# Altium PCB Air_Logger_PCB_ver2.PcbDoc (part 1 of 2) (continued)
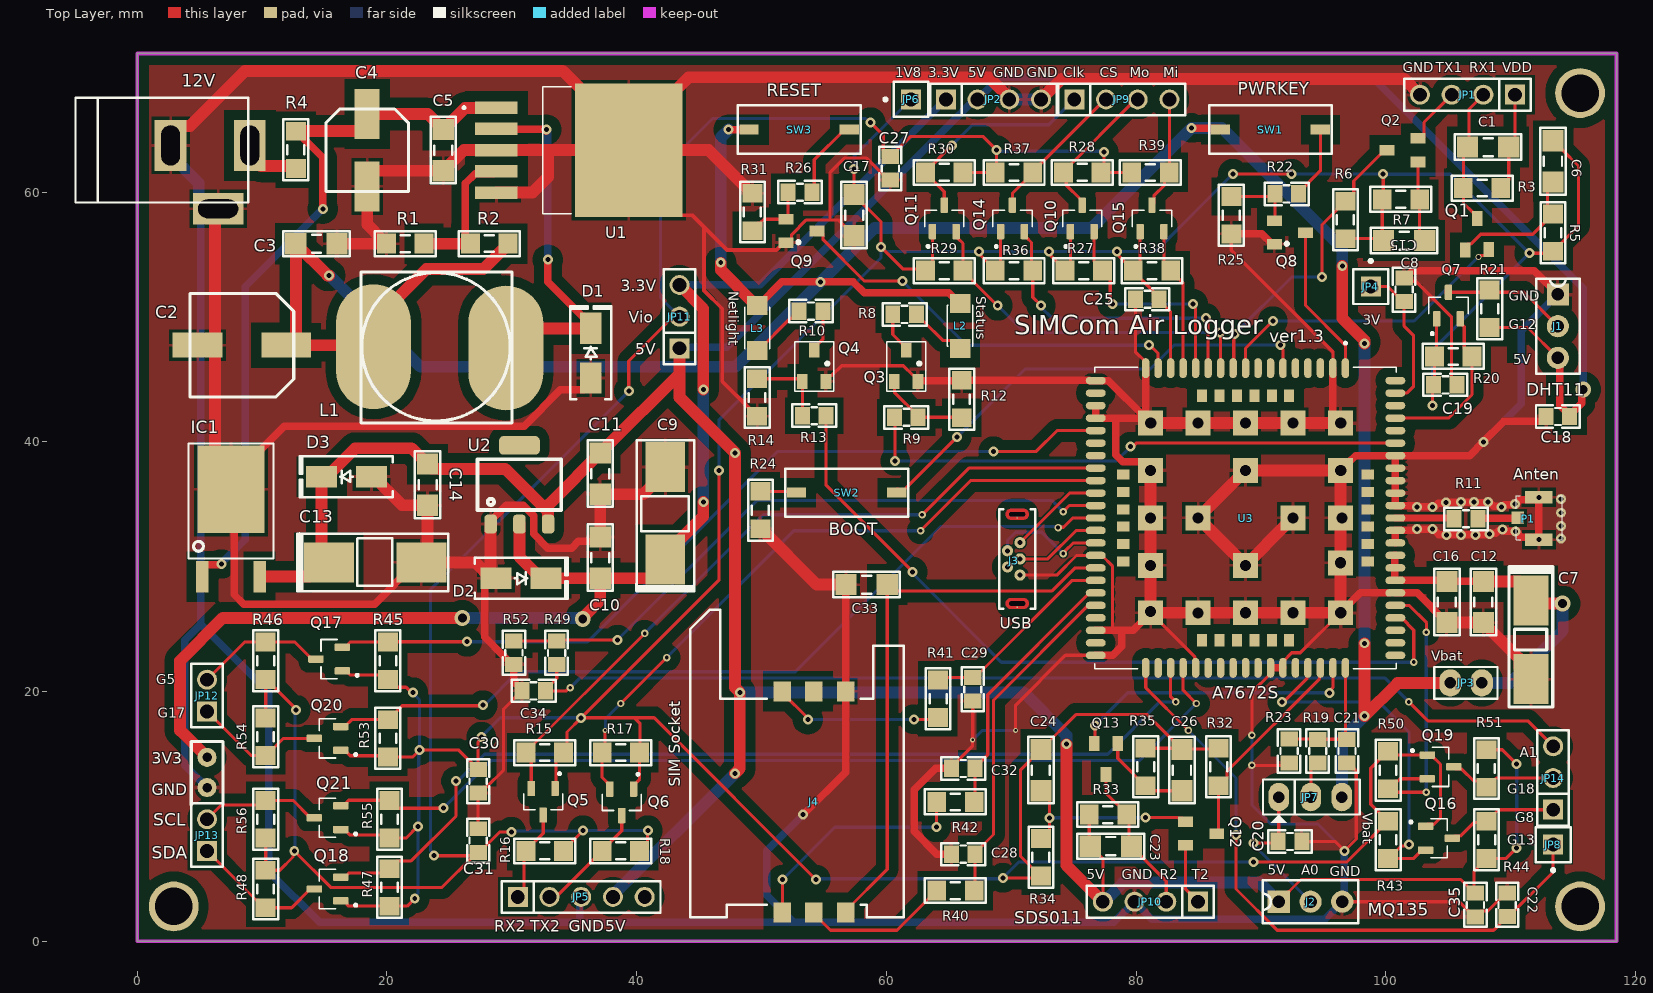
[diagram p0: Top Layer view]
## Footprints (in the part's own frame and the unit in brackets; to place one, negate y for a bottom-side part, rotate by r counter-clockwise, add the part's x,y. Pads: shape width x height; smd on the part's side, far side on the other; paste and mask are expansions set on the pad) (continued)
  Top Layer region: 3.597,0.924 3.619,0.923 3.641,0.92 3.663,0.916 3.685,0.911 3.706,0.904 3.727,0.897 3.748,0.888 3.768,0.879 3.788,0.868 3.806,0.856 3.825,0.844 3.842,0.83 3.859,0.816 3.876,0.801 3.891,0.784 3.905,0.767 3.919,0.75 3.931,0.731 3.943,0.713 3.954,0.693 3.963,0.673 3.972,0.652 3.979,0.631 3.986,0.61 3.991,0.588 3.995,0.566 3.998,0.544 3.999,0.522 4,0.5 4,0 3.75,0 3.75,0.5 3.75,0.509 3.749,0.518 3.748,0.527 3.746,0.536 3.744,0.545 3.741,0.554 3.738,0.563 3.735,0.571 3.731,0.579 3.727,0.587 3.722,0.595 3.717,0.603 3.711,0.61 3.705,0.617 3.699,0.624 3.692,0.63 3.685,0.636 3.678,0.642 3.67,0.647 3.662,0.652 3.654,0.656 3.646,0.66 3.638,0.663 3.629,0.666 3.62,0.669 3.611,0.671 3.602,0.673 3.593,0.674 3.584,0.675 3.575,0.675 3.566,0.675 3.557,0.674 3.548,0.673 3.539,0.671 3.53,0.669 3.521,0.666 3.512,0.663 3.504,0.66 3.496,0.656 3.487,0.652 3.48,0.647 3.472,0.642 3.465,0.636 3.458,0.63 3.451,0.624 3.445,0.617 3.439,0.61 3.433,0.603 3.428,0.595 3.423,0.587 3.419,0.579 3.415,0.571 3.412,0.563 3.409,0.554 3.406,0.545 3.404,0.536 3.402,0.527 3.401,0.518 3.4,0.509 3.4,0.5 3.4,0 3.15,0 3.15,0.5 3.151,0.522 3.152,0.544 3.155,0.566 3.159,0.588 3.164,0.61 3.171,0.631 3.178,0.652 3.187,0.673 3.196,0.693 3.207,0.713 3.219,0.731 3.231,0.75 3.245,0.767 3.259,0.784 3.274,0.801 3.291,0.816 3.308,0.83 3.325,0.844 3.344,0.856 3.363,0.868 3.382,0.879 3.402,0.888 3.423,0.897 3.444,0.904 3.465,0.911 3.487,0.916 3.509,0.92 3.531,0.923 3.553,0.924 3.575,0.925
  Top Layer region: 4,-0.5 3.999,-0.522 3.998,-0.544 3.995,-0.566 3.991,-0.588 3.986,-0.61 3.979,-0.631 3.972,-0.652 3.963,-0.673 3.954,-0.693 3.943,-0.713 3.931,-0.731 3.919,-0.75 3.905,-0.767 3.891,-0.784 3.876,-0.801 3.859,-0.816 3.842,-0.83 3.825,-0.844 3.806,-0.856 3.788,-0.868 3.768,-0.879 3.748,-0.888 3.727,-0.897 3.706,-0.904 3.685,-0.911 3.663,-0.916 3.641,-0.92 3.619,-0.923 3.597,-0.924 3.575,-0.925 3.553,-0.924 3.531,-0.923 3.509,-0.92 3.487,-0.916 3.465,-0.911 3.444,-0.904 3.423,-0.897 3.402,-0.888 3.382,-0.879 3.363,-0.868 3.344,-0.856 3.325,-0.844 3.308,-0.83 3.291,-0.816 3.274,-0.801 3.259,-0.784 3.245,-0.767 3.231,-0.75 3.219,-0.731 3.207,-0.713 3.196,-0.693 3.187,-0.673 3.178,-0.652 3.171,-0.631 3.164,-0.61 3.159,-0.588 3.155,-0.566 3.152,-0.544 3.151,-0.522 3.15,-0.5 3.15,0 3.4,0 3.4,-0.5 3.4,-0.509 3.401,-0.518 3.402,-0.527 3.404,-0.536 3.406,-0.545 3.409,-0.554 3.412,-0.563 3.415,-0.571 3.419,-0.579 3.423,-0.587 3.428,-0.595 3.433,-0.603 3.439,-0.61 3.445,-0.617 3.451,-0.624 3.458,-0.63 3.465,-0.636 3.472,-0.642 3.48,-0.647 3.487,-0.652 3.496,-0.656 3.504,-0.66 3.512,-0.663 3.521,-0.666 3.53,-0.669 3.539,-0.671 3.548,-0.673 3.557,-0.674 3.566,-0.675 3.575,-0.675 3.584,-0.675 3.593,-0.674 3.602,-0.673 3.611,-0.671 3.62,-0.669 3.629,-0.666 3.638,-0.663 3.646,-0.66 3.654,-0.656 3.662,-0.652 3.67,-0.647 3.678,-0.642 3.685,-0.636 3.692,-0.63 3.699,-0.624 3.705,-0.617 3.711,-0.61 3.717,-0.603 3.722,-0.595 3.727,-0.587 3.731,-0.579 3.735,-0.571 3.738,-0.563 3.741,-0.554 3.744,-0.545 3.746,-0.536 3.748,-0.527 3.749,-0.518 3.75,-0.509 3.75,-0.5 3.75,0 4,0
  Bottom Layer region: -3.553,0.924 -3.531,0.923 -3.509,0.92 -3.487,0.916 -3.465,0.911 -3.444,0.904 -3.423,0.897 -3.402,0.888 -3.382,0.879 -3.363,0.868 -3.344,0.856 -3.325,0.844 -3.308,0.83 -3.291,0.816 -3.274,0.801 -3.259,0.784 -3.245,0.767 -3.231,0.75 -3.219,0.731 -3.207,0.713 -3.196,0.693 -3.187,0.673 -3.178,0.652 -3.171,0.631 -3.164,0.61 -3.159,0.588 -3.155,0.566 -3.152,0.544 -3.151,0.522 -3.15,0.5 -3.15,0 -3.4,0 -3.4,0.5 -3.4,0.509 -3.401,0.518 -3.402,0.527 -3.404,0.536 -3.406,0.545 -3.409,0.554 -3.412,0.563 -3.415,0.571 -3.419,0.579 -3.423,0.587 -3.428,0.595 -3.433,0.603 -3.439,0.61 -3.445,0.617 -3.451,0.624 -3.458,0.63 -3.465,0.636 -3.472,0.642 -3.48,0.647 -3.487,0.652 -3.496,0.656 -3.504,0.66 -3.512,0.663 -3.521,0.666 -3.53,0.669 -3.539,0.671 -3.548,0.673 -3.557,0.674 -3.566,0.675 -3.575,0.675 -3.584,0.675 -3.593,0.674 -3.602,0.673 -3.611,0.671 -3.62,0.669 -3.629,0.666 -3.638,0.663 -3.646,0.66 -3.654,0.656 -3.662,0.652 -3.67,0.647 -3.678,0.642 -3.685,0.636 -3.692,0.63 -3.699,0.624 -3.705,0.617 -3.711,0.61 -3.717,0.603 -3.722,0.595 -3.727,0.587 -3.731,0.579 -3.735,0.571 -3.738,0.563 -3.741,0.554 -3.744,0.545 -3.746,0.536 -3.748,0.527 -3.749,0.518 -3.75,0.509 -3.75,0.5 -3.75,0 -4,0 -4,0.5 -3.999,0.522 -3.998,0.544 -3.995,0.566 -3.991,0.588 -3.986,0.61 -3.979,0.631 -3.972,0.652 -3.963,0.673 -3.954,0.693 -3.943,0.713 -3.931,0.731 -3.919,0.75 -3.905,0.767 -3.891,0.784 -3.876,0.801 -3.859,0.816 -3.842,0.83 -3.825,0.844 -3.806,0.856 -3.788,0.868 -3.768,0.879 -3.748,0.888 -3.727,0.897 -3.706,0.904 -3.685,0.911 -3.663,0.916 -3.641,0.92 -3.619,0.923 -3.597,0.924 -3.575,0.925
  Bottom Layer region: -3.15,-0.5 -3.151,-0.522 -3.152,-0.544 -3.155,-0.566 -3.159,-0.588 -3.164,-0.61 -3.171,-0.631 -3.178,-0.652 -3.187,-0.673 -3.196,-0.693 -3.207,-0.713 -3.219,-0.731 -3.231,-0.75 -3.245,-0.767 -3.259,-0.784 -3.274,-0.801 -3.291,-0.816 -3.308,-0.83 -3.325,-0.844 -3.344,-0.856 -3.363,-0.868 -3.382,-0.879 -3.402,-0.888 -3.423,-0.897 -3.444,-0.904 -3.465,-0.911 -3.487,-0.916 -3.509,-0.92 -3.531,-0.923 -3.553,-0.924 -3.575,-0.925 -3.597,-0.924 -3.619,-0.923 -3.641,-0.92 -3.663,-0.916 -3.685,-0.911 -3.706,-0.904 -3.727,-0.897 -3.748,-0.888 -3.768,-0.879 -3.788,-0.868 -3.806,-0.856 -3.825,-0.844 -3.842,-0.83 -3.859,-0.816 -3.876,-0.801 -3.891,-0.784 -3.905,-0.767 -3.919,-0.75 -3.931,-0.731 -3.943,-0.713 -3.954,-0.693 -3.963,-0.673 -3.972,-0.652 -3.979,-0.631 -3.986,-0.61 -3.991,-0.588 -3.995,-0.566 -3.998,-0.544 -3.999,-0.522 -4,-0.5 -4,0 -3.75,0 -3.75,-0.5 -3.75,-0.509 -3.749,-0.518 -3.748,-0.527 -3.746,-0.536 -3.744,-0.545 -3.741,-0.554 -3.738,-0.563 -3.735,-0.571 -3.731,-0.579 -3.727,-0.587 -3.722,-0.595 -3.717,-0.603 -3.711,-0.61 -3.705,-0.617 -3.699,-0.624 -3.692,-0.63 -3.685,-0.636 -3.678,-0.642 -3.67,-0.647 -3.662,-0.652 -3.654,-0.656 -3.646,-0.66 -3.638,-0.663 -3.629,-0.666 -3.62,-0.669 -3.611,-0.671 -3.602,-0.673 -3.593,-0.674 -3.584,-0.675 -3.575,-0.675 -3.566,-0.675 -3.557,-0.674 -3.548,-0.673 -3.539,-0.671 -3.53,-0.669 -3.521,-0.666 -3.512,-0.663 -3.504,-0.66 -3.496,-0.656 -3.487,-0.652 -3.48,-0.647 -3.472,-0.642 -3.465,-0.636 -3.458,-0.63 -3.451,-0.624 -3.445,-0.617 -3.439,-0.61 -3.433,-0.603 -3.428,-0.595 -3.423,-0.587 -3.419,-0.579 -3.415,-0.571 -3.412,-0.563 -3.409,-0.554 -3.406,-0.545 -3.404,-0.536 -3.402,-0.527 -3.401,-0.518 -3.4,-0.509 -3.4,-0.5 -3.4,0 -3.15,0
  Bottom Layer region: 3.597,0.924 3.619,0.923 3.641,0.92 3.663,0.916 3.685,0.911 3.706,0.904 3.727,0.897 3.748,0.888 3.768,0.879 3.788,0.868 3.806,0.856 3.825,0.844 3.842,0.83 3.859,0.816 3.876,0.801 3.891,0.784 3.905,0.767 3.919,0.75 3.931,0.731 3.943,0.713 3.954,0.693 3.963,0.673 3.972,0.652 3.979,0.631 3.986,0.61 3.991,0.588 3.995,0.566 3.998,0.544 3.999,0.522 4,0.5 4,0 3.75,0 3.75,0.5 3.75,0.509 3.749,0.518 3.748,0.527 3.746,0.536 3.744,0.545 3.741,0.554 3.738,0.563 3.735,0.571 3.731,0.579 3.727,0.587 3.722,0.595 3.717,0.603 3.711,0.61 3.705,0.617 3.699,0.624 3.692,0.63 3.685,0.636 3.678,0.642 3.67,0.647 3.662,0.652 3.654,0.656 3.646,0.66 3.638,0.663 3.629,0.666 3.62,0.669 3.611,0.671 3.602,0.673 3.593,0.674 3.584,0.675 3.575,0.675 3.566,0.675 3.557,0.674 3.548,0.673 3.539,0.671 3.53,0.669 3.521,0.666 3.512,0.663 3.504,0.66 3.496,0.656 3.487,0.652 3.48,0.647 3.472,0.642 3.465,0.636 3.458,0.63 3.451,0.624 3.445,0.617 3.439,0.61 3.433,0.603 3.428,0.595 3.423,0.587 3.419,0.579 3.415,0.571 3.412,0.563 3.409,0.554 3.406,0.545 3.404,0.536 3.402,0.527 3.401,0.518 3.4,0.509 3.4,0.5 3.4,0 3.15,0 3.15,0.5 3.151,0.522 3.152,0.544 3.155,0.566 3.159,0.588 3.164,0.61 3.171,0.631 3.178,0.652 3.187,0.673 3.196,0.693 3.207,0.713 3.219,0.731 3.231,0.75 3.245,0.767 3.259,0.784 3.274,0.801 3.291,0.816 3.308,0.83 3.325,0.844 3.344,0.856 3.363,0.868 3.382,0.879 3.402,0.888 3.423,0.897 3.444,0.904 3.465,0.911 3.487,0.916 3.509,0.92 3.531,0.923 3.553,0.924 3.575,0.925
  Bottom Layer region: 4,-0.5 3.999,-0.522 3.998,-0.544 3.995,-0.566 3.991,-0.588 3.986,-0.61 3.979,-0.631 3.972,-0.652 3.963,-0.673 3.954,-0.693 3.943,-0.713 3.931,-0.731 3.919,-0.75 3.905,-0.767 3.891,-0.784 3.876,-0.801 3.859,-0.816 3.842,-0.83 3.825,-0.844 3.806,-0.856 3.788,-0.868 3.768,-0.879 3.748,-0.888 3.727,-0.897 3.706,-0.904 3.685,-0.911 3.663,-0.916 3.641,-0.92 3.619,-0.923 3.597,-0.924 3.575,-0.925 3.553,-0.924 3.531,-0.923 3.509,-0.92 3.487,-0.916 3.465,-0.911 3.444,-0.904 3.423,-0.897 3.402,-0.888 3.382,-0.879 3.363,-0.868 3.344,-0.856 3.325,-0.844 3.308,-0.83 3.291,-0.816 3.274,-0.801 3.259,-0.784 3.245,-0.767 3.231,-0.75 3.219,-0.731 3.207,-0.713 3.196,-0.693 3.187,-0.673 3.178,-0.652 3.171,-0.631 3.164,-0.61 3.159,-0.588 3.155,-0.566 3.152,-0.544 3.151,-0.522 3.15,-0.5 3.15,0 3.4,0 3.4,-0.5 3.4,-0.509 3.401,-0.518 3.402,-0.527 3.404,-0.536 3.406,-0.545 3.409,-0.554 3.412,-0.563 3.415,-0.571 3.419,-0.579 3.423,-0.587 3.428,-0.595 3.433,-0.603 3.439,-0.61 3.445,-0.617 3.451,-0.624 3.458,-0.63 3.465,-0.636 3.472,-0.642 3.48,-0.647 3.487,-0.652 3.496,-0.656 3.504,-0.66 3.512,-0.663 3.521,-0.666 3.53,-0.669 3.539,-0.671 3.548,-0.673 3.557,-0.674 3.566,-0.675 3.575,-0.675 3.584,-0.675 3.593,-0.674 3.602,-0.673 3.611,-0.671 3.62,-0.669 3.629,-0.666 3.638,-0.663 3.646,-0.66 3.654,-0.656 3.662,-0.652 3.67,-0.647 3.678,-0.642 3.685,-0.636 3.692,-0.63 3.699,-0.624 3.705,-0.617 3.711,-0.61 3.717,-0.603 3.722,-0.595 3.727,-0.587 3.731,-0.579 3.735,-0.571 3.738,-0.563 3.741,-0.554 3.744,-0.545 3.746,-0.536 3.748,-0.527 3.749,-0.518 3.75,-0.509 3.75,-0.5 3.75,0 4,0
  silkscreen extent -3.98,-1.45 3.98,1.45
IPXS [mm] "SOT 23 _ 1-3-2"
  rect 1x1 smd: 1(0.415,-0.01)
  rect 2.2x1 smd: 2(-1.273,-1.658) 3(-1.278,1.729)
  silkscreen extent -3.13,-1.79 0.53,1.73, body extent -2.83,-1.49 0.31,1.56, height 1.55
J2 [mil] "Jum select vdd or gnd"
  oval 70x86 hole 36: 1(0,0) 2(99,0)
  silkscreen extent -50,-50 150,50
"JACK DC 5.5" [mm] "Jac DC input"
  rect 2.54x4.064 hole 1.5 slot 3.2 at 90 deg: 1(3.175,2.54) 2(-3.175,2.54)
  rect 4.064x2.54 hole 1.5 slot 3.2 at 0 deg: 3(0.635,-2.54)
  silkscreen extent -10.79,-2.03 3.05,6.35, body extent -10.42,-2.67 3.4,6.84, height 11.02
JP3 [mil] "Jumper 3"
  oval 65x90 hole 36: 1(-100,0) 2(1,0) 3(99,0)
  silkscreen extent -150,-81 155,55, body extent -146,-49 154,49, height 354
"JP 1x1 DT" [mm] "1pins, 1 row, straight, gold plating"
  rect 1.6x1.6 hole 1.1: 1(0,0)
  silkscreen extent -1.4,-1.4 1.4,2.17, body extent -1.27,-1.27 1.27,1.27, height 8.54
"JP 1x2 DT" [mm] "2 pins, 1 row, straight, gold plating"
  rect 1.6x1.6 hole 1.1: 1(0,0)
  round 1.6 hole 1.1: 2(2.54,0)
  silkscreen extent -1.27,-1.27 3.81,1.27, body extent -1.27,-1.27 3.81,1.27, height 8.54
"JP 1x3 DT" [mm]
  rect 1.6x1.6 hole 1.1: 1(0,0)
  round 1.6 hole 1.1: 2(2.54,0) 3(5.08,0)
  silkscreen extent -1.27,-1.27 6.35,1.27, body extent -1.27,-1.27 6.35,1.27, height 8.54
"JP 1x4 DT" [mm] "4 pins, 1 row, straight, gold plating"
  rect 1.6x1.6 hole 1.1: 1(0,0)
  round 1.6 hole 1.1: 2(2.54,0) 3(5.08,0) 4(7.62,0)
  silkscreen extent -1.27,-1.27 8.89,1.27, body extent -1.27,-1.27 8.89,1.27, height 8.54
"JP 1x5 DT" [mm] "5 pins, 1 row, straight, gold plating"
  rect 1.6x1.6 hole 1.1: 1(0,0)
  round 1.6 hole 1.1: 2(2.54,0) 3(5.08,0) 4(7.62,0) 5(10.16,0)
  silkscreen extent -1.27,-1.27 11.43,1.27, body extent -1.27,-1.27 11.43,1.27, height 8.54
LED-1206-Blue [mil] "Compoment SMD 120x60mil"
  rect 60x65 smd: 1(0,0) 2(142,0)
  silkscreen extent 6,-40 136,40, body extent 7,-31 133,32, height 43
LED-1206-Red [mil]
  rect 60x65 smd: 1(0,0) 2(142,0)
  silkscreen extent 6,-40 136,40, body extent 7,-31 133,32, height 43
SOT23B [mm] "SOT 23B"
  rect 0.85x1.2 smd: 1(0.94,-1.245) 2(0,1.25) 3(-0.95,-1.25)
  silkscreen extent -1.57,-2.03 1.57,1.93, body extent -1.5,-1.3 1.5,1.2, height 1.06
"SOT23B C1815" [mm]
  rect 0.85x1.2 smd: 1(-0.945,-1.25) 2(0.005,1.25) 3(0.945,-1.245)
  body extent -1.49,-1.3 1.51,1.2, height 1.06
SOT95P240X111-3N [mm]
  rrect25% 1.23x0.6 smd: 1(-1.06,0.95) 2(-1.06,-0.95) 3(1.06,0)
  silkscreen extent -2.35,-1.57 0.65,1.57, body extent -1.46,-1.2 1.46,1.2, height 0.65
sw_ran_2pin [mm]
  rect 1.55x0.8 smd: 1(-6.147,-6.756) 2(1.88,-6.756)
  silkscreen extent -7.04,-8.69 2.79,-4.83, body extent -6.18,-8.56 1.82,-4.96, height 2.53
TO-252 [mm]
  rect 1x2.5 smd: 1(-2.3,-10) 3(2.3,-10)
  rect 5.4x7 smd: 2(0,-3)
  silkscreen extent -3.4,-8.53 3.4,0.66, body extent -3.3,-10.06 3.28,-0.36, height 2.3
"tro smd 0805" [mm]
  rect 1.2x1.4 smd: 1(-0.946,-0.061) 2(0.954,-0.061)
  silkscreen extent -1.75,-0.97 1.75,0.84, body extent -1.56,-0.76 1.44,0.64, height 0.53
"Tro SMD 0805" [mm]
  rect 1.2x1.4 smd: 1(-0.946,-0.061) 2(0.954,-0.061)
  silkscreen extent -1.75,-0.97 1.75,0.84, body extent -1.56,-0.76 1.44,0.64, height 0.53
"tro smd 1206" [mm]
  rect 1.5x1.6 smd: 1(-1.5,0) 2(1.5,0)
  silkscreen extent -2.44,-0.99 2.44,0.99, body extent -1.6,-0.8 1.6,0.8, height 0.6
"Tro smd 1206" [mm]
  rect 1.5x1.6 smd: 1(-1.5,0) 2(1.5,0)
  silkscreen extent -2.44,-0.99 2.44,0.99, body extent -1.6,-0.8 1.6,0.8, height 0.6
"tu 0805" [mm]
  rect 1.2x1.4 smd: 1(-0.946,-0.003) 2(0.954,-0.003)
  silkscreen extent -1.75,-0.89 1.75,0.89, body extent -1.01,-0.64 1.01,0.63, height 0.61
"tu 1206" [mm]
  rect 1.7x1.7 smd: 1(-1.65,0) 2(1.65,0)
  silkscreen extent -2.67,-1.02 2.67,1.02, body extent -1.57,-0.8 1.63,0.8, height 0.94
"tu nhom 6.3 (d)" [mm]
  rect 4x2 smd: 1(-2.9,0) 2(2.9,0)
  silkscreen extent -3.3,-3.3 3.3,3.3, body extent -3.8,-3.3 3.8,3.3, height 8
"tu nhom 8 (f)" [mm]
  rect 4x2 smd: 1(-3.55,0) 2(3.55,0)
  silkscreen extent -4.15,-4.15 4.15,4.15, body extent -4.85,-4.25 4.85,4.25, height 10.5
"tu tantalum smd6032" [mm]
  rect 4x2.8 smd: 1(-3.15,0) 2(3.15,0)
  silkscreen extent -5.87,-1.75 5.38,1.75, body extent -3.15,-1.75 3.15,1.75, height 2.79
"tu tantalum smd7343" [mm]
  rect 4x3.2 smd: 1(-3.7,0) 2(3.7,0)
  silkscreen extent -6.23,-2.31 5.85,2.31, body extent -3.75,-2.33 3.85,2.27, height 3.99
VREG_LM2596S-ADJ/NOPB [mm]
  rect 3.4x1 smd paste-0.05 mask+0.07: 1(-10.6,3.4) 2(-10.6,1.7) 3(-10.6,0) 4(-10.6,-1.7) 5(-10.6,-3.4)
  rect 8.6x10.7 smd paste-0.05 mask+0.07: 6(0,0)
  silkscreen extent -13.3,-5.08 -4.62,5.08, body extent -7.18,-5.08 7.18,5.08, height 4.65

## Part data
C1 C23: library part "Tu 1206 470pF 50V 10%", "Dán", Chung_Loai=Dán, Don_Vi=Con, Ma_Hang=MH004548, So_Chan=2, Ten_Linh_Kien="Tụ 1206 470P 10% 50V"
C2: library part "Tu Nhom 470uF 16V", "Dán", Chung_Loai=Dán, Don_Vi=Con, Ma_Hang=MH001940, So_Chan=2, Ten_Linh_Kien="Tụ Nhôm 470uF 16V 8x10.4MM"
C3 C5 C10 C14 C16 C17 C33: library part "Tu 1206 104 50V 20%", "Dán", Chung_Loai=Dán, Don_Vi=Con, Ma_Hang=MH004544, So_Chan=2, Ten_Linh_Kien="Tụ 1206 104-0.1uF 20% 50V"
C4: library part "Tu Nhom 100uF 16V", "Dán", Chung_Loai=Dán, Don_Vi=Con, Ma_Hang=MH002219, So_Chan=2, Ten_Linh_Kien="Tụ Nhôm 100uF 16V 6.3x5.4MM"
C6 C8 C24 C26: library part "Tu 1206 102 50V 10%", "Dán", Chung_Loai=Dán, Don_Vi=Con, Ma_Hang=MH004542, So_Chan=2, Ten_Linh_Kien="Tụ 1206 102-1nF 10% 50V"
C7: library part "Tu tantalum 100uF 10V SMD6032", "Dán", Chung_Loai=Dán, Don_Vi=Con, Ma_Hang=MH007594, So_Chan=2, Ten_Linh_Kien="Tụ tantalum 107A-100uF 10V SMD6032"
C9 C13: library part "Tu tantalum 220uF 16V SMD7343", "Dán", Chung_Loai=Dán, Don_Vi=Con, Ma_Hang=MH002345, So_Chan=2, Ten_Linh_Kien="Tụ tantalum 227C-220uF 16V SMD7343"
C11: library part "Tu 1206 105 50V 20%", "Dán", Chung_Loai=Dán, Don_Vi=Con, Ma_Hang=MH004545, So_Chan=2, Ten_Linh_Kien="Tụ 1206 105-1uF 20% 50V"
C12: library part "Tu 1206 106 16V 20%", "Dán", Chung_Loai=Dán, Don_Vi=Con, Ma_Hang=MH004541, So_Chan=2, Ten_Linh_Kien="Tụ 1206 106-10uF 20% 16V"
C15 C18 C19 C20 C22 C25 C27 C30 C31 C34 C35: library part "Tu 0805 104 50V 10%", "Dán", Chung_Loai=Dán, Don_Vi=Con, Ma_Hang=MH004551, So_Chan=2, Ten_Linh_Kien="Tụ 0805 104-100nF 10% 50V"
C21: library part "Tu 0805 105 50V 10%", "Dán", Chung_Loai=Dán, Don_Vi=Con, Ma_Hang=MH004552, So_Chan=2, Ten_Linh_Kien="Tụ 0805 105-1uF 10% 50V"
C28 C29 C32: library part "Tu 0805 22pF 50V 10%", "Dán", Chung_Loai=Dán, Don_Vi=Con, Ma_Hang=MH004560, So_Chan=2, Ten_Linh_Kien="Tụ 0805 22P 10% 50V"
D1 D2 D3: library part "Diode SS34 ( 1N5822 )", "Dán", Chung_Loai=Dán, Don_Vi=Con, Ma_Hang=MH002104, Ten_Linh_Kien="Diode SS34 3A 40V SMA ( 1N5822 SS34A)"
IC1: library part LM78xx, "On ap +, from + 5 to + 24VDC"
J1 J2: "Connector"
J3: library part USB3106-XX-0230-X_REVB, "USB - micro AB USB 2.0 Receptacle Connector 5 Position Through Hole", PACKAGE=None, Availability=Unavailable, MF="Global Connector Technology", MP=USB3106-30-0230-A, Price=None, SnapEDA_Link=https://www.snapeda.com/parts/USB3106-30-0230-A/Global%20Connector%20Technology/view-part/491956/?ref=snap
J4: library part SIM5051-6-0-18-00-X_REVF, "Memory Socket, Sim Card, 6pos", PACKAGE=None, Availability=Unavailable, MF="Global Connector Technology", MP="SIM5051-6-0-18-00-A REV C", Price=None, SnapEDA_Link=https://www.snapeda.com/parts/SIM5051-6-0-18-00-A%20REV%20C/Global%20Connector%20Technology/view-part/812969/?ref=snap
JP1 JP2 JP9 JP10: library part "JP 1x4 2.54 Duc Thang", "Cắm", Chung_Loai=Cắm, Don_Vi=Con, Ma_Hang=MH000903, Ten_Linh_Kien="Jump Đơn Đực 2.54MM 1x40P Thẳng 11MM"
JP3: library part "JP 2_1"
JP4 JP6 JP8: library part "JP 1x1 2.54 Duc Cong", "Cắm", Chung_Loai=Cắm, Don_Vi=Con, Ma_Hang=MH000904, Ten_Linh_Kien="Jump Đơn Đực 2.54MM 1x40P Cong Đứng"
JP5: library part "JP 1x5 2.54 Duc Thang", "Cắm", Chung_Loai=Cắm, Don_Vi=Con, Ma_Hang=MH000903, Ten_Linh_Kien="Jump Đơn Đực 2.54MM 1x40P Thẳng 11MM"
JP7: "Jumper 2-1"
JP11 JP14: library part "JP 1x3 2.54 Duc Thang", "Cắm", Chung_Loai=Cắm, Don_Vi=Con, Ma_Hang=MH000903, Ten_Linh_Kien="Jump Đơn Đực 2.54MM 1x40P Thẳng 11MM"
JP12 JP13: library part "JP 1x2 2.54 Duc Thang", "Cắm", Chung_Loai=Cắm, Don_Vi=Con, Ma_Hang=MH000903, Ten_Linh_Kien="Jump Đơn Đực 2.54MM 1x40P Thẳng 11MM"
L1: library part "CUON CAM 100uH SMD", "Dán", Chung_Loai=Dán, Don_Vi=Con, Ten_Linh_Kien="Cuộn Cảm 100uH 7x7x4MM CD74"
L2: library part "LED 1206 Xanh Duong", "Dán", Chung_Loai=Dán, Don_Vi=Con, Ma_Hang=MH002333, Ten_Linh_Kien="LED1206 Màu Xanh Dương (Blue)"
L3: library part "LED 1206 Do", "Dán", Chung_Loai=Dán, Don_Vi=Con, Ma_Hang=MH002334, Ten_Linh_Kien="LED1206 Màu Đỏ (Red)"
P1: library part IPXSx66, "Antenna GSM GPS"
Q1 Q2 Q12 Q13: library part C1815_2, "NPN 600mW, ECB"
Q3 Q4 Q8 Q9: "NPN 600mW, ECB"
Q5 Q6 Q7 Q10 Q11 Q14 Q15 Q16 Q17 Q18 Q19 Q20 Q21: "N-Channel 50V 220mA (Ta) 360mW (Ta) Surface Mount SOT-23-3", PACKAGE="SOT-23 ON Semiconductor", Availability=Good, Check_prices=https://www.snapeda.com/parts/BSS138/ON%20Semiconductor/view-part/4794929/?ref=eda, MF="ON Semiconductor", MP=BSS138, Price=None, Purchase-URL=https://pricing.snapeda.com/search/part/BSS138/?ref=eda, SnapEDA_Link=https://www.snapeda.com/parts/BSS138/ON%20Semiconductor/view-part/4794929/?ref=snap
R1: library part "Tro 1206 1% 1k", "Dán", Chung_Loai=Dán, Don_Vi=Con, Ma_Hang=MH005880, So_Chan=2, Ten_Linh_Kien="Trở 1206 1% 1k"
R2: library part "Tro 1206 1% 2.2k", "Dán", Chung_Loai=Cắm, Don_Vi=Con, Ma_Hang=MH005882, So_Chan=2, Ten_Linh_Kien="Trở 1206 1% 2.2k"
R3 R5 R6 R7 R32 R33 R34 R35: library part "Tro 1206 5% 4.7K", "Dán", Chung_Loai=Dán, Don_Vi=Con, Ma_Hang=MH005908, So_Chan=2, Ten_Linh_Kien="Trở 1206 5% 4.7k"
R4: library part "Tro 1206 5% 0R", "Dán", Chung_Loai=Dán, Don_Vi=Con, Ma_Hang=MH005902, So_Chan=2, Ten_Linh_Kien="Trở 1206 5% 0R"
R8 R10: library part "Tro 0805 5% 1k", "Dán", Chung_Loai=Dán, Don_Vi=Con, Ma_Hang=MH005234, So_Chan=2, Ten_Linh_Kien="Trở 0805 5% 1k"
R9 R13 R22 R26: library part "Tro 0805 5% 4.7k", "Dán", Chung_Loai=Dán, Don_Vi=Con, Ma_Hang=MH005307, So_Chan=2, Ten_Linh_Kien="Trở 0805 5% 4.7k"
R11: library part "Tro 0805 5% 0R", "Dán", Chung_Loai=Dán, Don_Vi=Con, Ma_Hang=MH005230, So_Chan=2, Ten_Linh_Kien="Trở 0805 5% 0R"
R12 R14 R25 R31: library part "Tro 1206 5% 47k", "Dán", Chung_Loai=Dán, Don_Vi=Con, Ma_Hang=MH005916, So_Chan=2, Ten_Linh_Kien="Trở 1206 5% 47k"
R15 R16 R17 R18 R20 R21 R27 R28 R29 R30 R36 R37 R38 R39 R43 R44 R45 R46 R47 R48 R50 R51 R53 R54 R55 R56: library part "Tro 1206 1% 10k", "Dán", Chung_Loai=Dán, Don_Vi=Con, Ma_Hang=MH005885, So_Chan=2, Ten_Linh_Kien="Trở 1206 1% 10k"
R19 R49: library part "Tro 0805 5% 680k", "Dán", Chung_Loai=Dán, Don_Vi=Con, Ma_Hang=MH005343, So_Chan=2, Ten_Linh_Kien="Trở 0805 5% 680k"
R23 R52: library part "Tro 0805 1% 470k", "Dán", Chung_Loai=Dán, Don_Vi=Con, Ma_Hang=MH005485, So_Chan=2, Ten_Linh_Kien="Trở 0805 1% 470k"
R24: library part "Tro 1206 5% 10k", "Dán", Chung_Loai=Dán, Don_Vi=Con, Ma_Hang=MH005909, So_Chan=2, Ten_Linh_Kien="Trở 1206 5% 10K"
R40 R41 R42: library part "Tro 1206 5% 22R", "Dán", Chung_Loai=Dán, Don_Vi=Con, Ma_Hang=MH005913, So_Chan=2, Ten_Linh_Kien="Trở 1206 5% 22R"
SW1 SW2 SW3: library part SW2, "Switch button 2 pin"
U1: "SIMPLE SWITCHER&reg; 4.5V to 40V, 3A Low Component Count Step-Down Regulator", PACKAGE="TO-263-5 Texas Instruments", Availability="In Stock", Check_prices=https://www.snapeda.com/parts/LM2596S-ADJ/NOPB/Texas+Instruments/view-part/?ref=eda, MF="Texas Instruments", MP=LM2596S-ADJ/NOPB, Price=None, Purchase-URL=https://pricing.snapeda.com/search/part/LM2596S-ADJ/NOPB/?ref=eda, SnapEDA_Link=https://www.snapeda.com/parts/LM2596S-ADJ/NOPB/Texas+Instruments/view-part/?ref=snap
U2: "Linear Voltage Regulator 3.3V 1A 15V Max SOT-223", ComponentLink1Description=Datasheet, ComponentLink1URL="D:\Dropbox\Datasheets\Power Management ICs\Linear Regulators\AMS1117.pdf", Unit Price=0.2000
U3: "LTE CAT 1 module, 2,3,4G", MFR=SIMCOM, MPN=A7672S, Company ID=VT_Module_A7672S

## Free pads (board coordinates)
  round 4 hole 3 mask+0.102: 2(2.921,2.794) 2(115.57,2.794) 2(115.57,67.945)
  round 1.524 hole 0.762: 3(5.588,14.732) 4(5.588,12.319)

## Via types
v1: diameter 0.8, hole 0.4, Top Layer to Bottom Layer, tented both sides, 111 vias
v2: diameter 1.27, hole 0.9, Top Layer to Bottom Layer, tented both sides, 20 vias
v3: diameter 0.6, hole 0.3, Top Layer to Bottom Layer, tented both sides, 18 vias
v4: diameter 1.27, hole 0.711, Top Layer to Bottom Layer, tented both sides, 4 vias
v5: diameter 0.4, hole 0.2, Top Layer to Bottom Layer, tented both sides, 3 vias
v6: diameter 0.5, hole 0.3, Top Layer to Bottom Layer, tented both sides, 1 vias

## Nets (pads, with @x,y where several pads share a name; then routed paths per layer and width w, separated by ;. In a path a pad name is that pad's centre, name@x,y a point inside that pad or via, vN(x,y) a via of type N, cw(c..) or ccw(c..) an arc to the next point about the centre after c; other vN are vias at no path point)
3.3Vcc: C9.1 C10.1 D2.2 JP2.1 JP11.3 pad.3 U2.2 | length 113.6
  Top Layer w0.95: pad.3@5.588,14.732 3.429,16.891 3.429,22.479 6.858,25.908 v4(26.035,25.908) ; U2.2@30.607,33.426 30.607,30.81 32.334,29.083 D2.2@32.734,29.083 C10.1@37.084,29.084 ; v4(35.687,25.824) 35.687,25.908 37.084,27.305 C10.1@37.084,29.084 41.166,29.084 42.291,30.209 C9.1@42.291,30.59 42.291,30.99 45.339,34.038 v1(45.339,35.179) ; JP11.3@43.434,52.578 45.339,50.673 v1(45.339,44.196)
  Bottom Layer w0.6: JP11.3@43.434,52.578 49.911,52.578 JP2.1@64.77,67.437
  Bottom Layer w0.95: v4(26.035,25.908) 35.517,25.908 35.6,25.824 v4(35.687,25.824) ; v1(45.339,35.179) v1(45.339,44.196)
5Vcc: C11.1 C13.1 C14.1 C18.1 C23.1 C35.1 D3.2 IC1.3 J1.3 J2.1 JP2.2 JP5.4 JP10.4 JP11.1 R21.2 R33.2 R44.2 R51.2 U2.3 | length 309.5
  Top Layer w0.254: R33.2@76.248,10.16 76.248,7.7 C23.1@76.328,7.62 77.343,6.605 JP10.4@77.343,3.175 ; J2.1@91.44,3.175 93.218,4.953 105.998,4.953 107.085,3.867 107.085,5.636 107.404,5.955 107.404,6.005 108.027,6.628 R44.2@108.077,6.628 109.625,6.628 v1(110.49,7.493) ; R51.2@108.077,15.343 109.337,15.343 v1(110.494,14.186) ; R21.2@108.331,49.173 111.355,49.173 J1.3@113.792,46.736
  Top Layer w0.6: R51.2@108.077,15.343 R51.2@108.527,14.893 ; v1@110.44,14.186 v1(110.494,14.186) ; J1.3@113.792,46.736 113.938,46.59 113.938,42.94 C18.1@114.738,42.14 ; C18.1@114.738,42.04 C18.1@114.738,42.14 ; v4(115.824,44.196) 115.696,44.068 115.696,43.099 C18.1@114.738,42.14
  Top Layer w0.95: IC1.3@9.807,29.21 13.807,29.21 14.95,30.353 C13.1@15.35,30.353 14.764,30.939 D3.2@14.764,37.211 15.164,37.211 17.45,39.497 21.97,39.497 23.616,37.851 24.167,37.851 24.173,37.846 29.464,37.846 32.907,34.403 ; U2.3@32.907,33.426 32.907,34.403 ; JP11.1@43.434,47.498 43.434,45.465 ; v1(47.879,13.462) 48.26,13.843 v1(48.26,19.939) 47.879,20.32 v1(47.879,39.116) 43.434,43.561 43.434,45.465 ; v1(74.422,15.788) 74.422,6.096 JP10.4@77.343,3.175 ; R33.2@76.248,10.16 R33.2@76.288,10.12 ; 32.907,34.403 32.907,34.938 37.459,39.49 43.434,45.465
  Bottom Layer w0.254: v1(110.49,7.493) 110.492,7.495 110.492,14.184 v1(110.494,14.186)
  Bottom Layer w0.6: JP11.1@43.434,47.498 43.52,47.584 47.224,47.584 65.777,66.137 66.07,66.43 66.07,66.451 66.865,67.246 67.119,67.246 69.088,69.215 98.933,69.215 115.824,52.324 v4(115.824,44.196)
  Bottom Layer w0.95: JP5.4@38.1,3.556 38.1,3.683 v1(47.879,13.462) ; v1(48.26,19.939) 70.993,19.939 74.422,16.51 v1(74.422,15.788) ; JP10.4@77.343,3.175 77.442,3.175 78.966,4.699 89.916,4.699 J2.1@91.44,3.175
"9 TXD": Q1.3 U3.9 | length 24.5
  Top Layer w0.254: U3.9@88.773,45.909 88.773,47.498 v1(90.964,49.689) ; v6(107.442,54.815) 107.509,54.815 107.618,54.924 107.962,54.924 108.26,55.222 Q1.3@108.26,55.397
  Bottom Layer w0.254: v1(90.964,49.689) 102.279,49.689 107.405,54.815 v6(107.442,54.815)
"10 RXD": Q2.2 R6.2 U3.10 | length 24.2
  Top Layer w0.254: U3.10@87.773,45.909 87.829,45.964 87.829,48.586 v1(87.884,48.641) ; v1(94.908,53.208) 94.908,57.419 96.101,58.612 96.101,58.662 96.724,59.285 R6.2@96.774,59.285 96.824,59.285 97.447,59.908 97.447,60.904 99.623,63.08 99.921,63.378 Q2.2@100.096,63.378
  Top Layer w0.6: v1@87.884,48.587 v1(87.884,48.641)
  Bottom Layer w0.254: v1(87.884,48.641) 92.451,53.208 v1(94.908,53.208)
"11 SPI_CLK": Q11.2 R29.1 U3.11 | length 28.9
  Top Layer w0.254: Q11.2@65.593,56.852 65.766,56.679 65.766,56.281 66.143,55.904 66.143,53.671 68.887,50.927 v1(68.924,50.927) ; v1(86.741,48.768) 86.757,48.752 86.757,45.925 U3.11@86.773,45.909
  Bottom Layer w0.254: v1(68.924,50.927) 69.947,49.904 71.083,48.768 v1(86.741,48.768)
"12 SPI_CS": Q14.2 R36.1 U3.12 | length 23.9
  Top Layer w0.254: Q14.2@71.054,56.852 71.054,56.537 71.227,56.364 71.238,56.364 71.628,55.974 R36.1@71.628,53.824 ; R36.1@71.731,53.721 71.731,51.586 v1(72.39,50.927) ; U3.12@85.773,45.909 v1@85.773,49.588
  Top Layer w0.6: R36.1@71.628,53.824 R36.1@71.731,53.721
  Bottom Layer w0.254: v1(72.39,50.927) 72.39,50.8 73.279,49.911 v1(85.598,49.911)
12V: 12V.1 R4.1 | length 4.9
  Top Layer w0.95: 12V.1@9.017,63.754 9.017,62.992 9.906,62.103 12.494,62.103 R4.1@12.7,61.897
"13 SPI_MOSI": Q10.2 R27.1 U3.13 | length 17.7
  Top Layer w0.254: Q10.2@76.642,56.852 76.642,54.448 77.319,53.771 R27.1@77.319,53.721 77.942,53.098 77.942,51.365 78.105,51.202 v1(78.105,51.054) ; U3.13@84.773,45.909 v1@84.773,50.715
  Bottom Layer w0.254: v1(78.105,51.054) v1(84.582,51.054)
"14 SPI_MISO": Q15.2 R38.1 U3.14 | length 11.6
  Top Layer w0.254: Q15.2@82.23,56.852 82.23,54.221 82.78,53.671 83.403,53.048 83.453,53.048 83.773,52.728 U3.14@83.773,45.909
"19 GPIO_05": Q17.2 R45.1 U3.19 | length 67.6
  Top Layer w0.254: Q17.2@16.427,23.556 16.742,23.556 16.915,23.729 16.915,23.83 17.064,23.979 R45.1@20.066,23.979 20.09,24.003 v1(26.416,24.003) ; v1(68.58,39.243) 72.009,39.243 73.675,40.909 U3.19@76.773,40.909
  Bottom Layer w0.254: v1(26.416,24.003) 36.068,24.003 51.308,39.243 v1(68.58,39.243)
"22 LOG_RX": Q5.2 R15.1 U3.22 | length 58.2
  Top Layer w0.254: Q5.2@31.562,12.236 31.562,14.69 R15.1@31.139,15.113 31.139,15.163 40.386,24.41 v3(40.64,24.664) ; v3(62.865,34.163) 66.611,37.909 U3.22@76.773,37.909
  Bottom Layer w0.254: v3(40.64,24.664) 45.201,29.225 50.139,34.163 v3(62.865,34.163)